# Altium PCB OZ440-SE140-CAR001.PcbDoc (part 1 of 2) (continued)
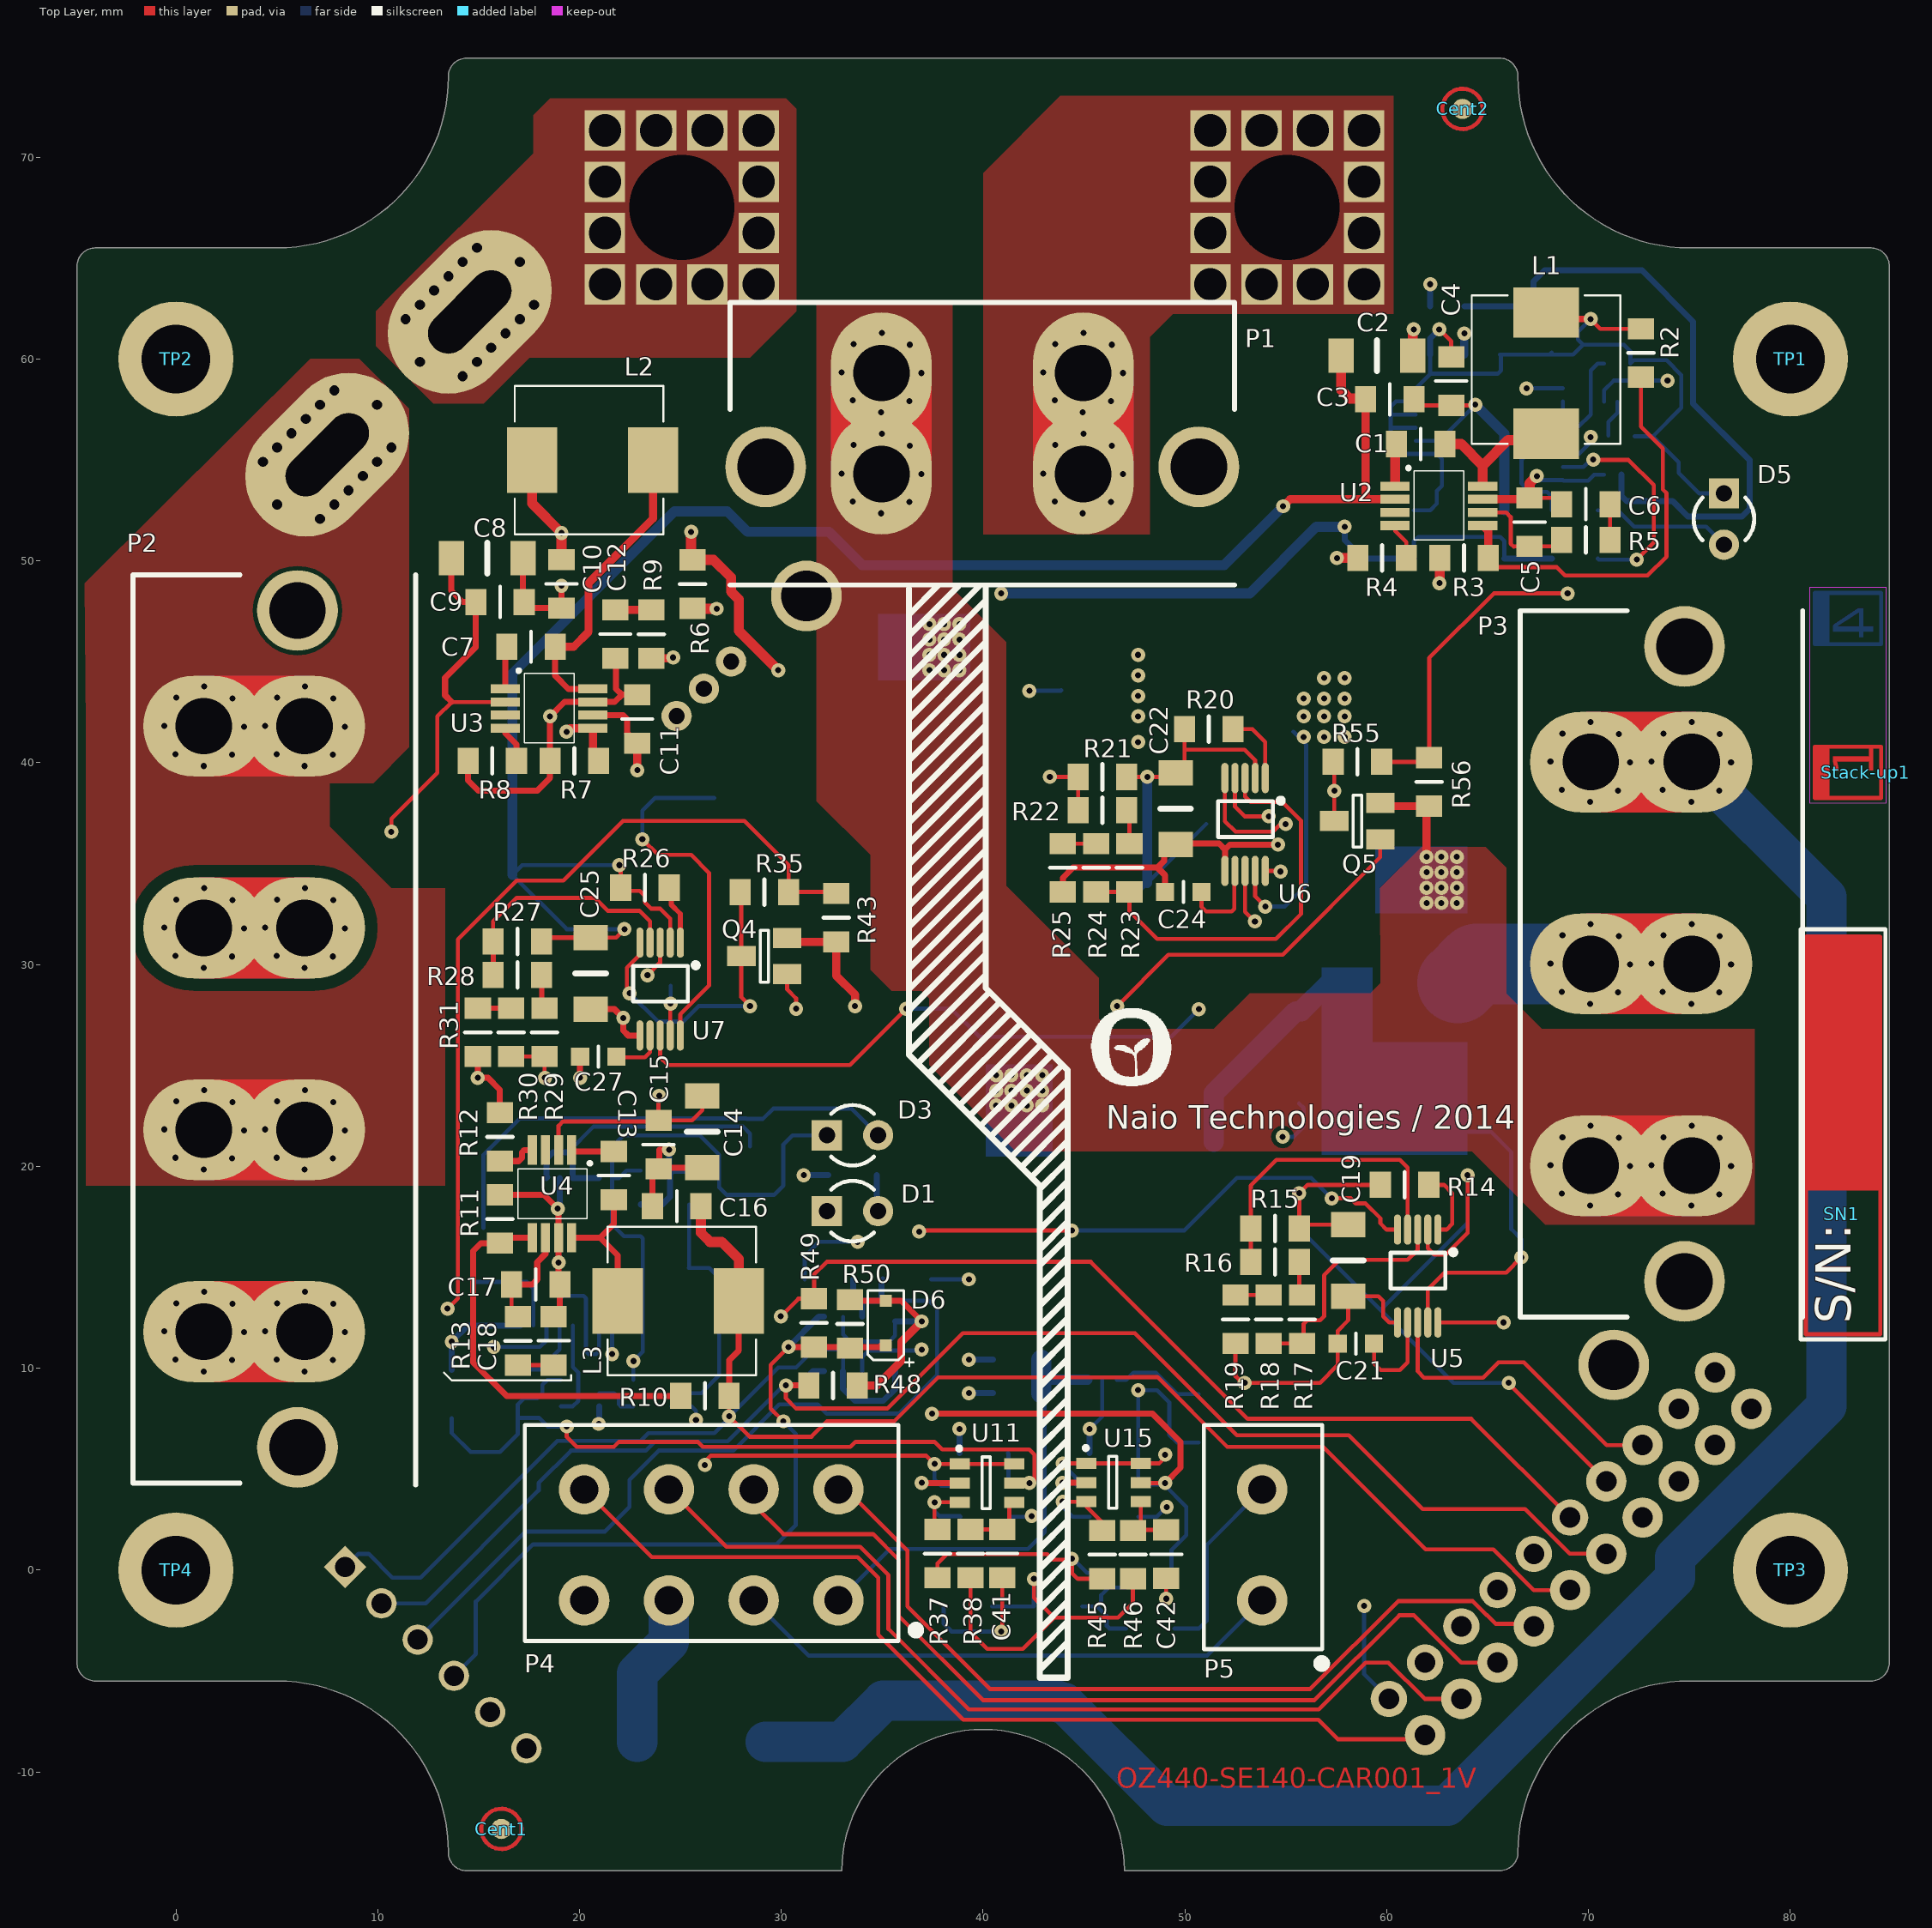
[diagram p0: Top Layer view]
## Components (designator, comment, footprint, x,y, rotation, side; value= is the part's Value field where it differs from the comment) (continued)
R48 "RES-SMD" R0805-STD 32.563,9.144 r0 top (schematic designator R19)
R49 "RES-SMD" R0805-STD 31.623,12.243 r90 top (schematic designator R20)
R50 "RES-SMD" R0805-STD 33.401,12.192 r90 top (schematic designator R21)
R51 "RES-SMD" R0805-STD 32.36,14.402 r180 bottom (schematic designator R22)
R52 "RES-SMD" R0805-STD 36.22,14.402 r0 bottom (schematic designator R23)
R53 "RES-SMD" R0805-STD 50.688,7.518 r90 bottom (schematic designator R24)
R54 "RES-SMD" R0805-STD 48.285,-2.896 r0 bottom (schematic designator R25)
R55 "RES-SMD" R0805-STD 58.547,40.039 r0 top (schematic designator R27)
R56 "RES-SMD" R0805-STD 62.103,39.046 r270 top (schematic designator R14)
R57 "RES-SMD" R0805-STD 43.713,-1.803 r0 bottom (schematic designator R28)
R58 "RES-SMD" R0805-STD 39.243,-1.803 r0 bottom (schematic designator R29)
SN1 "SERIAL-NUMBER" SERIAL_NUMBER-STD 82.55,17.653 r90 top (schematic designator SN)
Stack-up1 "STACKUP" STACKUP-SPE-4LAYERS 83.744,39.522 r90 top (schematic designator Stack-up)
TP1 "FIX-STD-PCB_FIXATION" MEC-STD-FIX_M3#1 80.01,60.003 r0 top
TP2 "FIX-STD-PCB_FIXATION" MEC-STD-FIX_M3#2 0,60.003 r0 top
TP3 "FIX-STD-PCB_FIXATION" MEC-STD-FIX_M3#3 80.01,0 r0 top
TP4 "FIX-STD-PCB_FIXATION" MEC-STD-FIX_M3#4 0,0 r0 top
TP5 "TP-STD-TEST_POINT" MEC-SPE-WURTHZ_7460408 55.067,67.513 r180 bottom locked
TP6 "TP-STD-TEST_POINT" MEC-SPE-WURTHZ_7460408 25.07,67.513 r180 bottom locked
U1 "ACS756-CA_PFF" CA_PFF-SPE-ACS756 26.162,43.663 r225 bottom locked
U2 "TPS54062-MSOP8" MSOP08-SPE-TPS54062 60.414,53.699 r270 top
U3 "TPS54062-MSOP8" MSOP08-SPE-TPS54062 16.326,43.656 r270 top (schematic designator U2)
U4 "TPS54062-MSOP8" MSOP08-SPE-TPS54062 19.612,20.809 r180 top (schematic designator U2)
U5 "LM5060-VSSOP10" VSSOP10-SPE-LM5060 62.535,16.866 r270 top (schematic designator U3)
U6 "LM5060-VSSOP10" VSSOP10-SPE-LM5060 53.981,39.237 r270 top (schematic designator U3)
U7 "LM5060-VSSOP10" VSSOP10-SPE-LM5060 24.994,31.083 r270 top (schematic designator U3)
U8 "74xxx1G14GW-SOT353-1" SOT353-1_5pin-STD 23.622,8.763 r180 bottom (schematic designator U4)
U9 "74xxx1G14GW-SOT353-1" SOT353-1_5pin-STD 20.03,8.763 r180 bottom (schematic designator U5)
U10 "74xxx109DB-TSSOP16" TSSOP16-SPE-74HC109 21.615,12.116 r90 bottom (schematic designator U6)
U11 "TPS3700-SOT23-6" SOT23_6-SPE-TPS3700 38.837,5.258 r0 top (schematic designator U7)
U12 "74xxx1G14GW-SOT353-1" SOT353-1_5pin-STD 71.628,55.245 r90 bottom (schematic designator U4)
U13 "74xxx1G14GW-SOT353-1" SOT353-1_5pin-STD 71.425,58.826 r90 bottom (schematic designator U5)
U14 "74xxx109DB-TSSOP16" TSSOP16-SPE-74HC109 68.732,58.547 r180 bottom (schematic designator U6)
U15 "TPS3700-SOT23-6" SOT23_6-SPE-TPS3700 45.11,5.283 r0 top (schematic designator U7)
U16 "PIC10F320-SOT23_6" SOT23_6-SPE-PIC10F320 32.106,12.548 r270 bottom (schematic designator U8)

## Footprints (in the part's own frame and the unit in brackets; to place one, negate y for a bottom-side part, rotate by r counter-clockwise, add the part's x,y. Pads: shape width x height; smd on the part's side, far side on the other; paste and mask are expansions set on the pad)
6P_HEADER-STD_TH_1ROW [mm] "6P TH header, 2.54mm pitch"
  rect 1.5x1.5 hole 1: 1(2.54,0)
  round 1.5 hole 1: 2(0,0) 3(-2.54,0) 4(-5.08,0) 5(-7.62,0) 6(-10.16,0)
  silkscreen extent -11.43,-1.27 3.81,1.27
C0603-STD [mm]
  rect 0.9x0.9 smd: 1(-0.9,0) 2(0.9,0)
  silkscreen extent 0,-0.51 0,0.51, body extent -0.8,-0.4 0.8,0.4, height 0.3
C0805-STD [mm]
  rect 1.05x1.3 smd: 1(-1.2,0) 2(1.2,0)
  silkscreen extent 0,-0.76 0,0.76, body extent -1,-0.62 1,0.63, height 0.76
C1206-STD [mm]
  rect 1.25x1.7 smd: 1(-1.775,0) 2(1.775,0)
  silkscreen extent 0,-0.76 0,0.76, body extent -1.6,-0.8 1.6,0.8, height 0.79
CA_PFF-SPE-ACS756 [mm]
  round 1.5 hole 0.8: 1(-1.91,0) 2(0,0) 3(1.91,0)
  rrect100% 9x6 hole 2 slot 5 at 0 deg: 4(5,21.4) 5(-5,21.4)
  body extent -7,-0.6 7,22.22, height 7
CAP-ELECTRO-SMD_SIZE_G [mm]
  rect 1.6x4.5 smd: 1(0,0) 2(0,-9.1)
  silkscreen extent -5,-9.2 5,2.68, body extent -5.1,-10 5.2,1.6, height 10.21
CONN-SPE-428192213_MOLEX [mm]
  oval 5x6 hole 2.8: 1(0,0) 1(0,5) 2(-10,0) 2(-10,5)
  round 4 hole 2.8: Fix1(5.73,0.35) Fix2(-15.73,0.35)
  Top Layer lines w5: -10,0 -10,0.022 -10,1.402 -10,1.432 -10,1.995 -10,3.048 -10,3.611 -10,3.641 -10,5 ; 0,0 0,0.022 0,1.402 0,1.432 0,1.995 0,3.048 0,3.611 0,3.641 0,5
  Bottom Layer lines w5: -10,0 -10,0.022 -10,1.402 -10,1.432 -10,1.995 -10,3.048 -10,3.611 -10,3.641 -10,5 ; 0,0 0,0.022 0,1.402 0,1.432 0,1.995 0,3.048 0,3.611 0,3.641 0,5
  silkscreen extent -17.5,-5.5 7.5,8.5, body extent -17.04,-5 6.84,9.1, height 21
CONN-SPE-428193213_MOLEX [mm]
  oval 5x6 hole 2.8: 1(0,5) 1(0,0) 2(-10,0) 2(-10,5) 3(-20,0) 3(-20,5)
  round 4 hole 2.8: Fix1(5.73,0.35) Fix2(-25.73,0.35)
  Top Layer lines w5: -20,5 -20,3.641 -20,3.611 -20,3.048 -20,1.995 -20,1.432 -20,1.402 -20,0.022 -20,0 ; -10,5 -10,3.641 -10,3.611 -10,3.048 -10,1.995 -10,1.432 -10,1.402 -10,0.022 -10,0 ; 0,5 0,3.641 0,3.611 0,3.048 0,1.995 0,1.432 0,1.402 0,0.022 0,0
  Bottom Layer lines w5: -20,5 -20,3.641 -20,3.611 -20,3.048 -20,1.995 -20,1.432 -20,1.402 -20,0.022 -20,0 ; -10,5 -10,3.641 -10,3.611 -10,3.048 -10,1.995 -10,1.432 -10,1.402 -10,0.022 -10,0 ; 0,5 0,3.641 0,3.611 0,3.048 0,1.995 0,1.432 0,1.402 0,0.022 0,0
  silkscreen extent -27.5,-5.5 7.5,8.5, body extent -26.94,-5.1 6.94,9, height 21
CONN-SPE-428194213_MOLEX [mm]
  oval 5x6 hole 2.8: 1(0,5) 1(0,0) 2(-10,5) 2(-10,0) 3(-20,5) 3(-20,0) 4(-30,0) 4(-30,5)
  round 4 hole 2.8: Fix1(5.73,0.35) Fix2(-35.73,0.35)
  Top Layer lines w5: -30,5 -30,4.978 -30,3.598 -30,3.568 -30,3.005 -30,1.952 -30,1.389 -30,1.359 -30,0 ; -20,5 -20,4.978 -20,3.598 -20,3.568 -20,3.005 -20,1.952 -20,1.389 -20,1.359 -20,0 ; -10,5 -10,4.978 -10,3.598 -10,3.568 -10,3.005 -10,1.952 -10,1.389 ; 0,5 0,4.978 0,4.925 0,4.425 0,3.925 0,3.598 0,3.568 0,3.005 0,2.925 0,1.952 0,1.925 0,1.389 0,1.359 0,0 ; -10,1.389 -10,1.359 -10,0 ; -10,1.389 -10,1.389 ; -10,0 -10,0 ; 0,0 0,0
  Bottom Layer lines w5: -30,5 -30,4.978 -30,3.598 -30,3.568 -30,3.005 -30,1.952 -30,1.389 -30,1.359 -30,0 ; -20,5 -20,4.978 -20,3.598 -20,3.568 -20,3.005 -20,1.952 -20,1.389 -20,1.359 -20,0 ; -10,5 -10,4.978 -10,3.598 -10,3.568 -10,3.005 -10,1.952 -10,1.389 ; 0,5 0,4.978 0,4.925 0,4.425 0,3.925 0,3.598 0,3.568 0,3.005 0,2.925 0,1.952 0,1.925 0,1.389 0,1.359 0,0 ; -10,1.389 -10,1.359 -10,0 ; -10,1.389 -10,1.389 ; -10,0 -10,0 ; 0,0 0,0
  silkscreen extent -37.6,-5.5 7.5,8.5, body extent -37,-5.05 6.88,9.05, height 20.6
CONN-SPE_ESQ-110-12-G-D [mm]
  round 2 hole 1.02: 1(0,0) 3(-2.54,0) 5(-5.08,0) 7(-7.62,0) 9(-10.16,0) 11(-12.7,0) 13(-15.24,0) 14(-15.24,2.54) 15(-17.78,0) 16(-17.78,2.54) 17(-20.32,0) 18(-20.32,2.54) 19(-22.86,0) 20(-22.86,2.54)
  round 1.8 hole 1.02: 2(0,2.54) 4(-2.54,2.54) 6(-5.08,2.54) 8(-7.62,2.54) 10(-10.16,2.54) 12(-12.7,2.54)
  silkscreen extent -24.26,-1.57 2.53,4.06, body extent -24.36,-1.24 1.55,3.84, height 1.83
CONN-SPE_MOLEX_39-28-1023 [mm]
  round 2.5 hole 1.4: 1(0,0) 2(0,-5.5)
  silkscreen extent -3.11,-8.69 2.9,3.29, body extent -3.13,-8.79 3.07,2.21, height 12.8
CONN-SPE_MOLEX_39-28-1083 [mm]
  round 2.5 hole 1.4: 1(0,0) 2(4.2,0) 3(8.4,0) 4(12.6,0) 5(0,-5.5) 6(4.2,-5.5) 7(8.4,-5.5) 8(12.6,-5.5)
  silkscreen extent -4,-8.69 15.54,2.01, body extent -3.1,-8.82 15.7,2.18, height 12.8
F-SPE-154Series_littlefuse [mm]
  rect 4.24x3.81 smd: 1(0,0) 2(6.37,0)
  silkscreen extent 3.17,-1.91 3.18,1.91, body extent -1.74,-2.51 8.09,2.52, height 3.81
L-SPE-4600Series_Murata [mm]
  rect 2.5x3.25 smd: 1(0,0) 2(6,0)
  silkscreen extent -0.51,-3.68 6.86,3.68, body extent -0.12,-3.1 6.48,3.1, height 2.3
LC_0603-STD [mm]
  rect 0.6x1 smd: 1(-0.725,0) 2(0.725,0)
  rect 0.5x1.3 smd: 3(0,0)
  body extent -0.8,-0.41 0.8,0.41, height 0.6
LED_3MM [mm]
  rect 1.5x1.5 hole 0.8: 1(0,0)
  round 1.5 hole 0.8: 2(2.54,0)
  silkscreen extent 0.21,-1.5 2.33,1.5
MEC-SPE-WURTHZ_7460408 [mm]
  rect 2x2 hole 1.6: 1(-3.81,-3.81) 1(-3.81,-1.27) 1(-3.81,1.27) 1(-3.81,3.81) 1(-1.27,-3.81) 1(-1.27,3.81) 1(1.27,-3.81) 1(1.27,3.81) 1(3.81,-3.81) 1(3.81,-1.27) 1(3.81,1.27) 1(3.81,3.81)
  round 4 hole 5.2: 1(0,0)
  silkscreen extent -5.08,-5.08 5.08,5.08, body extent -4.5,-4.52 4.5,4.5, height 6
MEC-STD-CENTER [mm]
  round 1 smd paste+0 mask+0.5: 0(0,0)
  Top Layer circle w0.2: c0,0 r1
MEC-STD-FIX_M3#1 [mm] "Fixation for M3 screw"
  round 5.7 hole 3.4: 1(-0.01,-0.003)
MEC-STD-FIX_M3#2 [mm] "Fixation for M3 screw"
  round 5.7 hole 3.4: 1(0,-0.003)
MEC-STD-FIX_M3#3 [mm] "Fixation for M3 screw"
  round 5.7 hole 3.4: 1(-0.01,0)
MEC-STD-FIX_M3#4 [mm] "Fixation for M3 screw"
  round 5.7 hole 3.4: 1(0,0)
MSOP08-SPE-TPS54062 [mm]
  rect 0.45x1.45 smd mask+0.05: 1(0,0) 2(0.65,0) 3(1.3,0) 4(1.95,0) 5(1.95,4.341) 6(1.3,4.341) 7(0.65,4.341) 8(0,4.341)
  silkscreen extent -0.94,0.62 2.67,3.4, body extent -0.53,-0.28 2.47,4.62, height 1.15
R0805-STD [mm]
  rect 1.05x1.3 smd: 1(-1.2,0) 2(1.2,0)
  silkscreen extent 0,-0.64 0,0.64, body extent -1,-0.61 1,0.64, height 0.6
SERIAL_NUMBER-STD [mm]
  Top Layer region: 1.143,-1.905 13.843,-1.905 13.843,1.778 1.143,1.778
  Top Layer lines w0.2: 13.716,1.778 -5.969,1.778 -5.969,-1.905 13.716,-1.905
  silkscreen extent -6.22,-2.16 14.1,2.03
SOD323-SPE-BZX384 [mm]
  rect 0.6x0.6 smd: A(0,0) K(2.2,0)
  silkscreen extent -0.51,-0.89 3.25,1.37, body extent -0.16,-0.63 2.34,0.62, height 0.95
SOT23-SPE-2N7002 [mm]
  rect 1.4x1 smd: 1(2.275,-0.9) 2(2.275,0.9)
  rect 1.425x1 smd: 3(0,0)
  silkscreen extent 0.94,-1.3 1.35,1.27, body extent -0.18,-1.5 2.46,1.5, height 1.08
SOT23-STD [mm]
  rect 1.4x1 smd: 1(2.275,-0.9) 2(2.275,0.9)
  rect 1.425x1 smd: 3(0,0)
  silkscreen extent 0.94,-1.3 1.35,1.27, body extent -0.18,-1.5 2.46,1.5, height 1.08
SOT23_6-SPE-PIC10F320 [mm]
  rect 1x0.55 smd: 1(0,0) 2(0,-0.95) 3(0,-1.9) 4(2.7,-1.9) 5(2.7,-0.95) 6(2.7,0)
  silkscreen extent -0.12,-2.22 1.51,0.86, body extent -0.05,-2.42 2.75,0.48, height 1.45
SOT23_6-SPE-TPS3700 [mm]
  rect 1x0.55 smd: 1(0,0) 2(0,-0.95) 3(0,-1.9) 4(2.7,-1.9) 5(2.7,-0.95) 6(2.7,0)
  silkscreen extent -0.12,-2.22 1.51,0.86, body extent -0.05,-2.42 2.75,0.48, height 1.45
SOT353-1_5pin-STD [mm] "SOT23, 5-Leads, Body 2,3x2,3mm (max), Pitch 0,65mm, IPC Medium Density"
  rect 0.9x0.35 smd: 1(-0.95,0.65) 2(-0.95,0) 3(-0.95,-0.65) 4(0.95,-0.65) 5(0.95,0.65)
  silkscreen extent -1.04,-1.1 0.1,1.34, body extent -1.15,-1.05 1.15,1.05, height 1
STACKUP-SPE-4LAYERS [mm]
  Top Layer region: -1.27,1.905 1.27,1.905 1.27,2.54 -1.27,2.54
  Top Layer lines w0.2: -1.27,1.905 1.27,1.905 ; -1.27,1.905 -1.27,2.54 1.27,2.54 1.27,1.905 ; -1.27,1.905 -1.27,-0.762 1.27,-0.762 1.27,1.905
  Bottom Layer region: 6.35,1.905 8.89,1.905 8.89,2.54 6.35,2.54
  Bottom Layer lines w0.2: 6.35,1.905 6.35,-0.762 8.89,-0.762 8.89,1.905 ; 6.35,1.905 6.35,2.54 8.89,2.54 8.89,1.905 ; 6.35,1.905 8.89,1.905
  Keep-Out Layer region: -1.524,-1.016 9.144,-1.016 9.144,2.794 -1.524,2.794
TO263-3-SPE-IPB039N10N3 [mm]
  rect 4.7x0.85 smd: 1(-6.25,3.81) 2(-6.25,2.54) 3(-6.25,1.27) 5(-6.25,-1.27) 6(-6.25,-2.54) 7(-6.25,-3.81)
  rect 9.6x10.45 smd: 8(3.75,0)
  silkscreen extent -6.37,-5.15 -1.45,5.15, body extent -7.95,-5.2 7.72,5.2, height 4.5
TSSOP16-SPE-74HC109 [mm]
  oval 1.5x0.35 smd: 1(0,0) 2(0,-0.65) 3(0,-1.3) 4(0,-1.95) 5(0,-2.6) 6(0,-3.25) 7(0,-3.9) 8(0,-4.55) 9(7.3,-4.55) 10(7.3,-3.9) 11(7.3,-3.25) 12(7.3,-2.6) 13(7.3,-1.95) 14(7.3,-1.3) 15(7.3,-0.65) 16(7.3,0)
  silkscreen extent 0.8,-4.85 6.1,1.01, body extent -0.63,-4.76 7.95,0.24, height 1
VSSOP10-SPE-LM5060 [mm]
  oval 1.5x0.35 smd mask+0.05: 1(0,0) 2(0,-0.5) 3(0,-1) 4(0,-1.5) 5(0,-2) 6(4.6,-2) 7(4.6,-1.5) 8(4.6,-1) 9(4.6,-0.5) 10(4.6,0)
  silkscreen extent 0.99,-2.34 2.92,0.89, body extent -0.26,-2.49 4.74,0.51, height 1.1

## Part data
C1 C7 C13 C28 C29 C31 C32 C33 C34 C36 C37 C38 C39 C40 C41 C42: library part VJ0805Y104KXAxx, "0805 100nF / 50V  X7R ceramic capacitor"
C2 C8 C14 C19 C22 C25: library part C3216X7S2A225Kxxx, "1206 2.2uF / 100V X7S ceramic capacitor"
C3 C6 C9 C12 C15 C18: library part VJ0805Y223KXBxx, "0805 22nF / 100V X7R ceramic capacitor"
C4 C10 C16 C30 C35: library part C0805C106K9PACxx, "0805 10uF / 6.3V X5R ceramic capacitor"
C5 C11 C17: library part C0805C330J5GACxx, "0805 33pF / 50V COG ceramic capacitor"
C20 C23 C26: library part EEE2AA330P, "33uF / 100V Aluminium capacitor SMD"
C21 C24 C27: library part 0603ZD474KAT2A, "0603 470nF / 10V X5R ceramic capacitor"
Cent1 Cent2 Cent3 Cent4: library part "SMD centering pad", "SMD centering pad"
D1: library part L-934GD, "LED 3mm green TH"
D2 D4 D7: library part BAS16, "100V / 120mA signal  diode"
D3 D5: library part MC20449, "LED 3mm red TH"
D6: library part BZX384C3V3, "3.3V zener diode"
F1: library part NFM18PC225B0J3, "2A LC filter"
F2 F3: library part 0154005.DRT, "5A T fuse with SMD holder"
J1: library part ESQ-110-12-G-D, "20 pin receptacle, 2.54mm, TH"
J2: library part 68000-406HLF, "6P, 1 row, 2.54mm header"
L1 L2 L3: library part 46224C, "220uH SMD inductor"
P1: library part 42819-2213, "2 pin power connector, ST"
P2: library part 42819-4213, "4 pin power connector"
P3: library part 42819-3213, "3 pin power connector, ST"
P4: library part 39-28-1083, "8 pin Minifit connector"
P5: library part 39-28-1023, "2 pin Minifit connector"
Q1 Q2 Q3: library part IPB017N06N3, "60V/180A N channel MOSFET in DPAK package"
Q4 Q5: library part 2N7002, "N-Channel Enhancement Mode Field Effect Transistor"
R1 R34 R42 R48: library part CRCW0805300RFKxx, "300 ohm 0805 SMD resistor"
R2 R6 R10: library part CRCW080531K6FKxx, "31k6 Ohm 0805 SMD resistor"
R3 R7 R11 R32 R36 R37 R38 R39 R40 R43 R44 R45 R46 R47 R56: library part CRCW080510K0FKxx, "10k Ohm 0805 SMD resistor"
R4 R8 R12 R49: library part CRCW0805330KFKxx, "330k Ohm 0805 SMD resistor"
R5 R9 R13: library part CRCW080527K4FKxx, "27k4 Ohm 0805 SMD resistor"
R14 R20 R26: library part CRCW080516K2FKxx, "16k2 Ohm 0805 SMD resistor"
R15 R21 R27: library part CRCW080553K6FKxx, "53k6 Ohm 0805 SMD resistor"
R16 R17 R19 R22 R23 R25 R28 R29 R31 R35 R51 R52 R55: library part CRCW08051K00FKxx, "1k Ohm 0805 SMD resistor"
R18 R24 R30: library part CRCW08058K06FKxx, "8k06 Ohm 0805 SMD resistor"
R33 R41: library part CRCW0805100KFKxx, "100k Ohm 0805 SMD resistor"
R50: library part CRCW080547K0FKxx, "47k Ohm 0805 SMD resistor"
R53: library part CRCW080559R0FKxx, "59 Ohm 0805 SMD resistor"
R54: library part CRCW0805866KFKxx, "866k Ohm 0805 SMD resistor"
R57 R58: library part CRCW080522R0FKxx, "22 Ohm 0805 SMD resistor"
SN1: library part "Serial Number", "serial number copper identification"
Stack-up1: library part "4 Layers Stackup", "4 Layers Stackup identification"
TP1 TP2 TP3 TP4: library part "M3 Fixation", "M3 Hole for Board fixation"
TP5 TP6: library part 7460408, "Bush with threaded hole M5"
U1: library part ACS756SCA-100B-PFF-T, "+/- 100A Linear Current Sensor IC"
U2 U3 U4: library part TPS54062DGK, "4.7V to 60V Input, 50mA Synchronous Step-Down Converter"
U5 U6 U7: library part LM5060MM, "High-Side Protection Controller"
U8 U9 U12 U13: library part 74LVC1G14GW, "smith trigger inverter"
U10 U14: library part 74HC109DB, "Dual JK flip-flop with set and reset"
U11 U15: library part TPS3700DD, "Window Comparator for Over- and Undervoltage Detection"
U16: library part PIC10F320T-I/OT, "6 pin Low cost microcontroller"

## Free pads (board coordinates)
  round 3.5 hole 2.5: 0(31.242,48.26) 0(71.247,10.16)

## Via types
v1: diameter 0.7, hole 0.3, Top Layer to Bottom Layer, tented both sides, 305 vias
v2: diameter 0.6, hole 0.5, Top Layer to Bottom Layer, tented both sides, 28 vias

## Nets (pads, with @x,y where several pads share a name; then routed paths per layer and width w, separated by ;. In a path a pad name is that pad's centre, name@x,y a point inside that pad or via, vN(x,y) a via of type N, cw(c..) or ccw(c..) an arc to the next point about the centre after c; other vN are vias at no path point)
0V_CAN: J1.1 P4.8 | length 48.5
  Top Layer w0.2: P4.8@20.229,3.994 23.588,0.635 33.782,0.635 34.798,-0.381 34.798,-3.2 39.014,-7.417 56.606,-7.417 57.571,-8.382 61.697,-8.382 J1.1@61.9,-8.179
3V3_CH1: C4.2 C33.1 C34.1 C37.1 D1.1 D4.3 D5.1 D7.3 L1.2 R2.2 R40.1 R41.1 R44.1 R47.1 R53.1 U12.5 U13.5 U14.16 U15.5 | length 167.2
  Top Layer w0.2: U15.5@47.81,4.333 47.836,4.308 v1(49.022,4.308) ; v1(62.602,61.468) 63.195,60.875 C4.2@63.195,60.103 ; v1@70.103,61.982 v1(70.108,61.977) 70.585,61.5 R2.2@72.593,61.5
  Top Layer w0.3: v1(37.465,7.747) 48.387,7.747 49.784,6.35 49.784,5.07 v1(49.022,4.308) ; L1.2@67.894,61.982 v1@70.103,61.982
  Mid-Layer 1 w0.3: D1.1@32.258,17.78 32.258,14.351 37.465,9.144 v1(37.465,7.747) ; v1(57.912,51.689) 57.912,58.42 60.054,60.562 61.705,60.562 62.611,61.468 v1(62.602,61.468)
  Mid-Layer 1 w0.5: v1(40.894,48.387) 40.894,35.814 47.682,29.026 v1(47.682,8.909)
  Bottom Layer w0.2: v1(49.022,4.308) v1@48.956,4.242 ; D7.3@49.333,0.025 49.333,0.997 50.063,1.727 50.063,3.134 v1@48.956,4.242 ; R53.1@50.688,6.318 49.612,6.318 49.225,6.706 49.225,8.306 48.622,8.909 v1(47.682,8.909) C37.1@47.682,5.791 R44.1@47.682,4.242 v1@48.956,4.242 ; R47.1@61.341,50.108 61.341,50.963 61.559,51.181 65.619,51.181 65.828,50.972 C34.1@65.828,50.108 ; U14.16@61.432,58.547 62.154,59.268 ; C33.1@62.154,60.217 62.154,59.268 ; D4.3@68.174,60.325 D4.3@68.066,60.217 ; v1(70.108,61.977) 69.469,61.338 69.469,60.96 69.723,60.706 ; U12.5@72.278,56.17 73.188,56.17 ; D5.1@76.708,53.34 75.488,53.34 74.472,54.356 74.472,54.885 73.188,56.17 ; 62.154,59.268 65.491,59.268 65.659,59.436 65.659,60.166 R41.1@65.608,60.217 D4.3@68.066,60.217 ; D4.3@68.066,60.217 69.234,60.217 69.723,60.706 ; 69.723,60.706 71.755,60.706 72.075,60.386 U13.5@72.075,59.776 72.242,59.944 73.863,59.944 74.6,59.207 74.6,57.582 73.188,56.17
  Bottom Layer w0.3: v1(57.912,51.689) 57.912,51.029 58.833,50.108 R47.1@61.341,50.108 ; C33.1@62.154,60.217 62.154,61.02 v1(62.602,61.468) ; C34.1@65.828,50.108 R40.1@68.18,50.108
  Bottom Layer w0.5: v1(40.894,48.387) 53.213,48.387 56.515,51.689 v1(57.912,51.689)
12V_CAN: J1.3 P4.7 | length 47.1
  Top Layer w0.2: P4.7@24.429,3.994 27.28,1.143 33.909,1.143 35.306,-0.254 35.306,-2.921 39.294,-6.909 56.628,-6.909 58.95,-4.587 60.086,-4.587 61.882,-6.383 J1.3@63.696,-6.383
\CPU_PG: J1.16 U5.8 | length 15.7
  Top Layer w0.2: U5.8@61.535,12.266 61.535,9.839 61.849,9.525 64.77,9.525 65.532,10.287 66.802,10.287 70.899,6.19 J1.16@72.676,6.19
\PWR1_PG: J1.8 U7.8 | length 74.3
  Top Layer w0.2: U7.8@23.994,26.483 23.994,25.409 24.384,25.019 33.401,25.019 v1(36.195,27.813)
  Mid-Layer 1 w0.2: v1(50.688,27.784) 52.056,26.416 64.77,26.416 65.659,25.527 65.659,18.161 67.564,16.256 67.564,4.699 65.492,2.627 J1.8@65.492,-0.995
  Bottom Layer w0.2: v1(36.195,27.813) 38.416,27.813 39.813,26.416 49.32,26.416 v1(50.688,27.784)
\PWR2_PG: J1.10 U6.8 | length 45.4
  Top Layer w0.2: U6.8@52.981,34.637 52.981,32.617 v1(53.467,32.131)
  Mid-Layer 1 w0.2: v1(53.467,32.131) 53.975,31.623 61.976,31.623 66.421,27.178 66.421,18.669 68.453,16.637 68.453,4.445 67.288,3.28 J1.10@67.288,0.801
\R\E\S\E\T_PIC: J1.11 J2.2 R48.1 U16.6 | length 75.6
  Top Layer w0.2: v1(30.226,9.144) 30.226,8.509 30.734,8.001 35.252,8.001 38.986,11.735 47.523,11.735 52.578,6.68 58.115,6.68 61.773,3.023 66.853,3.023 69.063,0.813 70.869,0.813 J1.11@70.88,0.801
  Top Layer w0.3: v1(30.226,9.144) R48.1@31.363,9.144
  Bottom Layer w0.2: J2.2@10.185,-1.651 12.378,-1.651 17.977,3.948 17.977,4.32 19.575,5.918 23.284,5.918 23.747,6.381 27.336,6.381 30.099,9.144 v1(30.226,9.144)
  Bottom Layer w0.3: v1(30.226,9.144) 30.861,9.144 31.565,9.848 U16.6@32.106,9.848
BAR_AR_N: P4.2 P5.1 | length 27.5
  Bottom Layer w0.2: P4.2@28.629,-1.506 31.365,-4.242 51.093,-4.242 P5.1@53.829,-1.506
BAR_AR_P: C39.2 C40.1 F1.2 P4.1 | length 22.6
  Bottom Layer w0.2: P4.1@32.829,-1.506 35.376,1.041 42.215,1.041 43.053,1.88 43.053,8.596 C40.1@42.886,8.763
  Bottom Layer w0.5: 42.886,9.525 42.987,9.423 F1.2@45.173,9.423
  Bottom Layer w1: C40.1@42.886,8.763 42.886,9.525 C39.2@42.886,10.422
BAR_AV_N: P5.2 R54.2 | length 9.4
  Bottom Layer w0.2: R54.2@49.485,-2.896 50.698,-2.896 51.079,-2.515 51.079,1.245 P5.2@53.829,3.994
CANH: J1.7 P4.5 | length 42.5
  Top Layer w0.2: P4.5@32.829,3.994 33.217,3.994 36.246,0.965 36.246,-1.803 40.335,-5.893 56.21,-5.893 60.562,-1.541 64.27,-1.541 64.974,-2.245 64.983,-2.245 65.405,-2.667 67.164,-2.667 J1.7@67.288,-2.791
CANL: J1.5 P4.6 | length 46
  Top Layer w0.2: P4.6@28.629,3.994 28.629,3.248 30.099,1.778 34.55,1.778 35.814,0.514 35.814,-2.273 39.987,-6.446 56.419,-6.446 60.62,-2.245 61.35,-2.245 63.692,-4.587 J1.5@65.492,-4.587
GND: C2.1 C3.1 C4.1 C5.1 C6.1 C8.1 C9.1 C10.1 C11.1 C12.1 C14.1 C15.1 C16.1 C17.1 C18.1 C19.1 C20.2 C21.1 C22.1 C23.2 C24.1 C25.1 C26.2 C27.1 C28.2 C29.2 C30.1 C31.2 C32.2 C33.2 C34.2 C35.1 C36.2 C37.2 C38.2 C39.1 C40.2 C41.2 C42.2 D6.A F1.3 J1.15 J1.17 J1.19 J2.6 P1.2 P2.4 P3.3 P4.4 pad.0 Q4.2 Q5.2 R1.1 R3.1 R4.1 R7.1 R8.1 R11.1 R12.1 R19.1 R25.1 R31.1 R43.2 R48.2 R50.2 R56.2 R58.1 U2.7 U3.7 U4.7 U5.6 U6.6 U7.6 U8.3 U9.3 U10.8 U10.12 U11.2 U12.3 U13.3 U14.8 U14.12 U15.2 U16.2 | length 165.9
  Top Layer w0.2: v1@40.945,-3.048 C41.2@40.945,-0.387 ; v1(49.073,-1.422) C42.2@49.073,-0.413 ; R19.1@52.502,11.221 52.502,9.601 52.832,9.271 v1(52.959,9.271) 56.688,9.271 57.571,10.154 C21.1@57.571,11.221 57.571,11.851 58.09,12.37 C19.1@58.09,13.567 59.585,13.567 59.817,13.335 59.817,12.573 60.124,12.266 U5.6@60.535,12.266 ; C2.1@61.287,60.173 C2.1@61.35,60.11 ; C3.1@61.35,58.001 61.648,57.703 C4.1@63.195,57.703 64.405,57.703 64.436,57.734 v1(64.389,57.734) ; C5.1@67.075,53.118 68.358,53.118 C6.1@68.669,52.807
  Top Layer w0.3: R8.1@14.478,40.097 14.478,39.116 14.986,38.608 17.907,38.608 18.542,39.243 R7.1@18.542,40.097 v1(18.542,42.291) 19.257,43.006 U3.7@20.667,43.006 21.74,43.006 22.098,43.364 ; R31.1@14.961,25.438 v1(14.961,24.384) 15.469,24.384 16.053,23.8 R12.1@16.053,22.657 ; R11.1@16.053,18.593 18.237,18.593 v1(18.923,17.907) 18.962,17.868 U4.7@18.962,16.468 v1(18.962,15.24) 18.962,14.217 C17.1@19.031,14.148 19.031,12.865 C18.1@18.72,12.554 ; C8.1@17.199,50.13 17.199,48.021 C9.1@17.262,47.958 17.56,47.66 C10.1@19.107,47.66 ; v1(19.107,48.768) C10.1@19.107,47.66 ; C10.1@19.123,47.644 C10.1@19.107,47.66 ; v1(20.03,24.384) C27.1@20.03,25.438 ; C25.1@20.549,27.784 21.731,27.784 v1(22.168,27.348) 22.168,26.727 22.412,26.483 U7.6@22.994,26.483 ; C12.1@21.774,45.165 21.809,45.13 21.809,43.653 22.098,43.364 ; C11.1@22.86,43.364 22.098,43.364 ; C16.1@23.616,18.028 23.616,19.575 C15.1@23.914,19.873 C15.1@23.952,19.911 ; v1(24.435,20.828) 23.952,20.828 C15.1@23.952,19.911 ; C14.1@26.086,19.936 23.977,19.936 C15.1@23.952,19.911 ; R50.2@33.172,13.443 33.401,13.443 33.509,13.335 D6.A@35.179,13.335 35.941,13.335 v1(36.957,12.319) ; v1@36.957,4.308 U11.2@38.837,4.308 ; v1@43.942,4.333 U15.2@45.11,4.333 ; R25.1@43.948,33.592 43.948,34.296 44.45,34.798 48.641,34.798 ; C24.1@49.017,33.592 49.022,33.597 49.022,34.417 48.641,34.798 ; U6.6@51.981,34.637 51.981,35.7 ; v1(54.61,35.938) 52.219,35.938 51.981,35.7 ; 48.641,34.798 48.963,35.12 48.963,35.365 C22.1@49.536,35.938 49.59,35.992 51.689,35.992 51.981,35.7
  Top Layer w0.4: Q4.2@30.291,31.317 30.486,31.122 R43.2@32.715,31.122 32.715,29.45 33.655,28.51 v1(33.655,27.94) ; R48.2@33.763,9.144 34.732,9.144 35.941,10.353 35.941,11.303 v1(36.957,12.319) ; Q5.2@59.679,38.009 59.842,37.846 R56.2@62.103,37.846 61.976,37.719 v1(61.976,35.331) ; U2.7@64.755,53.049 67.006,53.049 C5.1@67.075,53.118
  Top Layer w0.5: v1(57.531,50.14) R4.1@58.566,50.14 ; C2.1@61.287,60.173 61.287,61.414 v1(61.341,61.468) ; v1(62.611,48.895) 62.63,48.914 R3.1@62.63,50.14 ; C5.1@67.075,53.118 67.075,53.837 v1(67.437,54.198)
  Bottom Layer w0.2: U8.3@24.572,8.113 25.542,8.113 25.77,7.885 v1(25.77,7.434) ; U16.2@33.056,12.548 33.056,11.663 33.401,11.318 35.346,11.318 35.636,11.608 C38.2@35.636,12.325 ; R58.1@38.043,-1.803 38.043,-2.661 38.43,-3.048 v1(40.894,-3.048) ; C31.2@41.281,2.642 42.266,2.642 42.291,2.616 42.348,2.616 v1(42.403,2.671) ; v1(45.282,6.985) 45.898,7.601 F1.3@45.898,9.423 ; C36.2@47.682,2.642 48.59,2.642 49.098,3.15 v1(49.098,3.124) ; U14.12@61.432,55.947 62.602,55.947 v1(64.389,57.734) ; 65.828,54.102 65.933,53.997 ; v1(67.437,54.198) 67.638,53.997 U14.8@68.732,53.997 68.754,53.975 69.977,53.975 70.272,54.27 70.775,54.27 ; U13.3@70.775,57.876 70.775,58.456 71.247,58.928 v1(73.914,58.928)
  Bottom Layer w0.3: C29.2@13.665,9.912 v1(13.665,11.318) 14.463,12.116 U10.8@17.065,12.116 ; v1(18.923,17.907) 19.015,17.999 U10.12@19.015,19.416 ; v1(20.955,7.239) 20.98,7.264 20.98,7.493 U9.3@20.98,8.113 ; C30.1@23.032,18.11 C30.1@23.336,18.11 24.105,18.11 24.486,18.491 24.486,19.634 24.638,19.787 ; v1(24.435,20.828) 24.435,19.99 24.638,19.787 ; C28.2@25.432,19.787 24.638,19.787 ; v1(31.115,19.558) R1.1@32.328,19.558 ; C38.2@35.636,12.325 36.697,12.325 36.703,12.319 v1(36.957,12.319) ; C32.2@38.83,5.791 v1(38.83,6.985) ; v1(39.292,8.763) C40.2@40.486,8.763 ; v1(39.292,10.422) C39.1@40.486,10.422 ; C37.2@45.282,5.791 v1(45.282,6.985) ; C33.2@62.154,62.617 v1(62.154,63.703)
  Bottom Layer w0.4: C35.1@63.845,60.217 v1(63.845,61.27)
  Bottom Layer w0.5: v1(64.389,57.734) 65.828,56.295 65.828,54.102 C34.2@65.828,52.508
  other v1: 36.957,4.318 43.927,4.318 1.375,9.835 6.375,9.835 2.777,10.398 7.777,10.398 -0.014,10.428 4.986,10.428 3.371,11.787 8.371,11.787 -0.577,11.83 4.423,11.83 2.808,13.189 7.808,13.189 0.017,13.219 5.017,13.219 1.397,13.782 6.397,13.782 70.086,18.057 75.086,18.057 71.466,18.62 76.466,18.62 68.675,18.65 73.675,18.65 72.06,20.009 77.06,20.009 68.113,20.052 73.113,20.052 71.497,21.411 76.497,21.411 68.706,21.441 73.706,21.441 70.108,22.004 75.108,22.004 40.64,23.019 41.402,23.019 42.164,23.019 42.926,23.019 40.64,23.747 41.402,23.747 42.164,23.747 42.926,23.747 40.64,24.511 41.402,24.511 42.164,24.511 42.926,24.511 61.976,33.045 62.704,33.045 63.468,33.045 61.976,33.807 62.704,33.807 63.468,33.807 61.976,34.569 62.704,34.569 63.468,34.569 62.704,35.331 63.468,35.331 37.338,44.577 38.066,44.577 38.83,44.577 37.338,45.339 38.066,45.339 38.83,45.339 37.338,46.101 38.066,46.101 38.83,46.101 37.338,46.863 38.066,46.863 38.83,46.863 34.936,52.353 36.338,52.916 33.547,52.947 36.932,54.305 32.984,54.327 36.369,55.707 33.578,55.738 34.98,56.3 34.936,57.353 36.338,57.916 33.547,57.947 36.932,59.305 32.984,59.327 36.369,60.707 33.578,60.738 34.98,61.3
GND_SENS: J1.6 U1.2 | length 81.1
  Mid-Layer 1 w0.2: U1.2@26.162,43.663 26.162,42.022 26.924,41.26 26.924,17.78 35.718,8.986 35.718,-1.97 40.225,-6.477 50.025,-6.477 52.063,-4.438 54.923,-4.438 56.688,-2.674 63.579,-2.674 J1.6@63.696,-2.791
MAIN_POWER: C14.2 C15.2 C19.2 J1.14 P2.1 P2.3 Q1.8 R14.2 R15.2 U1.4 U4.2 U5.2 | length 56
  Top Layer w0.2: U4.2@18.962,20.809 18.962,22.01 19.177,22.225 23.866,22.225 C15.2@23.914,22.273 ; v1(23.952,23.495) 23.923,23.495 23.914,23.486 C15.2@23.914,22.273 ; C14.2@26.086,23.486 26.086,22.784 25.575,22.273 C15.2@23.914,22.273 ; C19.2@58.09,17.117 55.858,17.117 R15.2@55.664,16.923 v1(55.664,18.669) 56.076,19.082 R14.2@59.684,19.082 ; U5.2@62.035,16.866 62.035,15.943 62.357,15.621 62.928,15.621 64.008,16.701 v1(64.008,19.558) ; v1(66.04,9.271) 66.04,9.234 J1.14@70.88,4.394
  Bottom Layer w0.2: v1(55.664,18.669) 55.664,16.913 Q1.8@59.69,12.887 ; v1(64.008,19.558) 64.008,17.205 Q1.8@59.69,12.887 ; v1(66.04,9.271) 63.306,9.271 Q1.8@59.69,12.887
  other v1: 1.375,19.835 6.375,19.835 2.777,20.398 7.777,20.398 -0.014,20.428 4.986,20.428 3.371,21.787 8.371,21.787 -0.577,21.83 4.423,21.83 2.808,23.189 7.808,23.189 0.017,23.219 5.017,23.219 1.397,23.782 6.397,23.782 1.375,39.835 6.375,39.835 2.777,40.398 7.777,40.398 -0.014,40.428 4.986,40.428 3.371,41.787 8.371,41.787 -0.577,41.83 4.423,41.83 2.808,43.189 7.808,43.189 0.017,43.219 5.017,43.219 1.397,43.782 6.397,43.782
  other v2: 7.141,52.077 5.02,52.784 7.848,52.784 8.555,53.491 9.262,54.198 4.312,54.906 9.969,54.906 5.02,55.613 10.676,55.613 5.727,56.32 6.434,57.027 7.141,57.734 9.969,57.734 7.848,58.441
MAIN_POWER_OUT: C23.1 F2.1 P3.1 Q2.2 Q2.3 Q2.5 Q2.6 Q2.7 U6.9 | length 111.3
  Top Layer w0.2: U6.9@53.481,34.637 53.481,33.37 v1(53.981,32.87)
  Bottom Layer w0.2: v1(53.981,32.87) 54.942,32.87 56.007,33.934 56.007,40.894 55.372,41.529
  Bottom Layer w2: F2.1@29.228,-8.509 33.02,-8.509 35.052,-6.477 43.675,-6.477 43.778,-6.58 44.02,-6.58 49.124,-11.684 62.992,-11.684 74.295,-0.381 74.295,0.635 81.788,8.128 81.788,33.35 P3.1@75.108,40.03
  other v1: 70.086,38.057 75.086,38.057 71.466,38.62 76.466,38.62 68.675,38.65 73.675,38.65 72.06,40.009 77.06,40.009 68.113,40.052 73.113,40.052 47.682,41.021 55.88,41.275 56.896,41.275 57.912,41.275 71.497,41.411 76.497,41.411 68.706,41.441 73.706,41.441 70.108,42.004 75.108,42.004 47.682,42.291 55.88,42.291 56.896,42.291 57.912,42.291 55.88,43.18 56.896,43.18 57.912,43.18 47.682,43.307 56.896,44.196 57.912,44.196 47.682,44.323 47.682,45.339